# KiCad board HVC-CPU-GPM-02.kicad_pcb
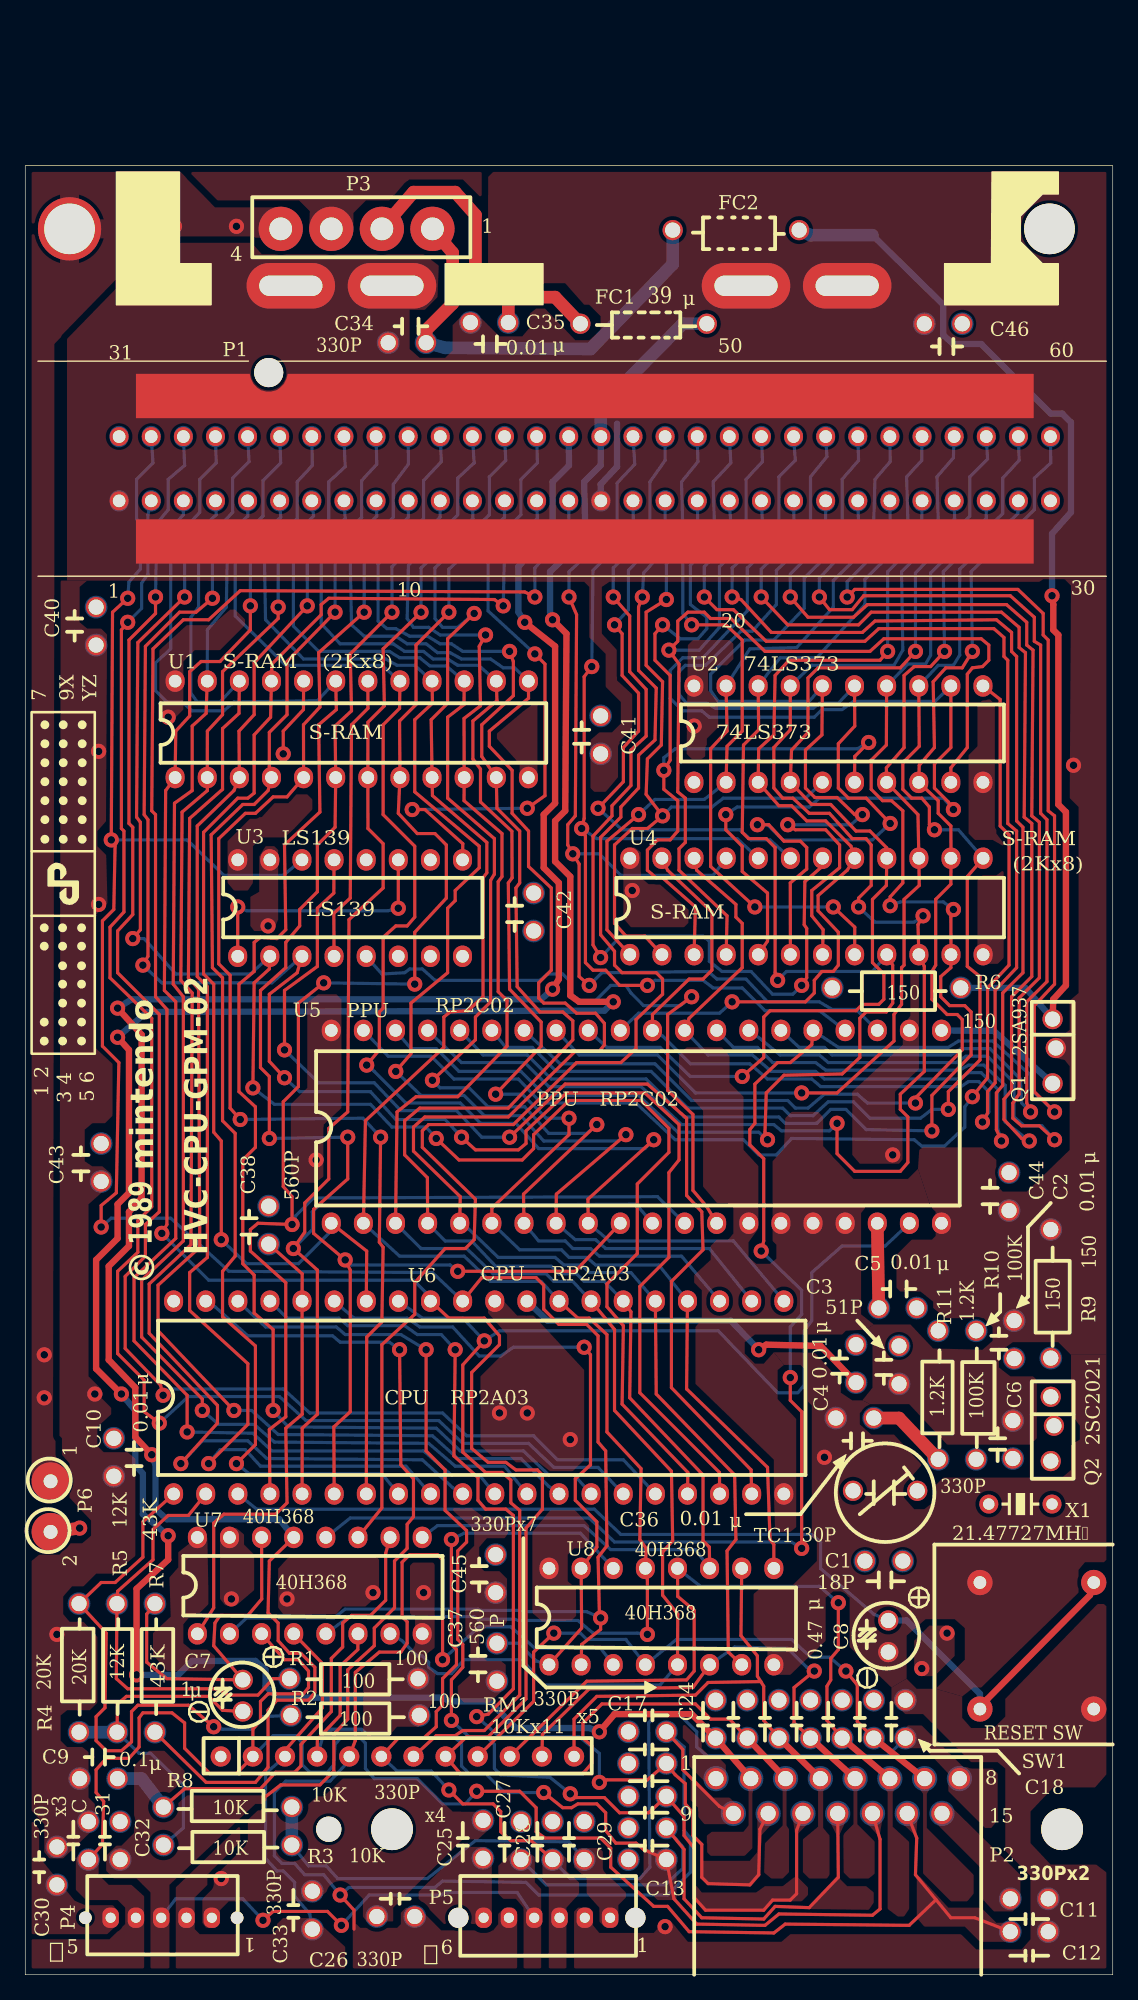
[diagram p0: board, top side]
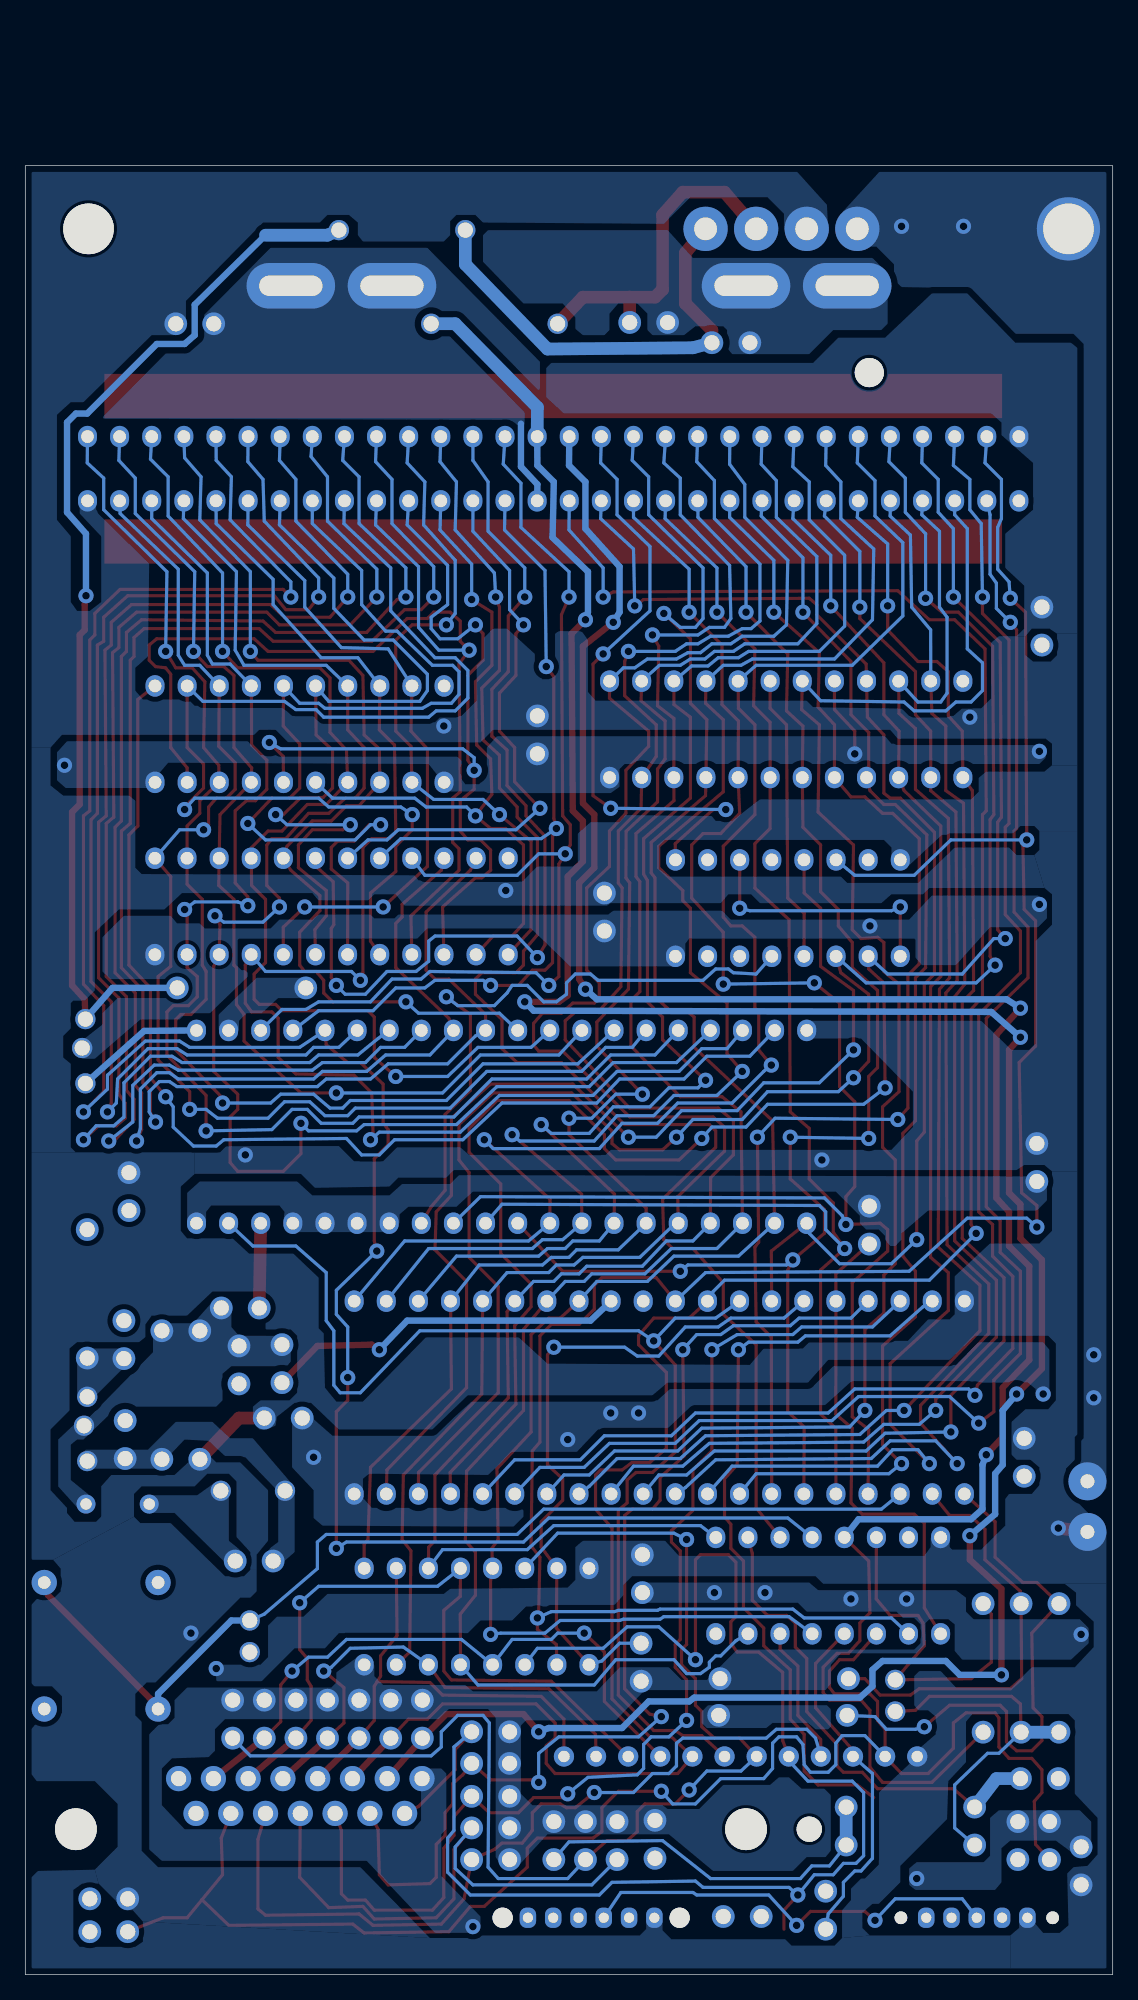
[diagram p1: board, bottom side, seen from below]

Outline 86 x 143 mm; copper layers: Top, Bottom. Coordinates in mm from the lower left corner of the outline.
Outline path: rectangle 0,143 86,0

## Placement (name value [footprint] x y rotation side)
C1  18p  [C_Disc_NoSilk_D3.0mm_W2.0mm_P3.0mm]  66.4 32.7 0 top
C2  10n  [C_Disc_NoSilk_D3.0mm_W2.0mm_P3.0mm]  78.2 51.7 270 top
C3  51p  [C_Disc_NoSilk_D3.0mm_W2.0mm_P3.0mm]  69.1 46.7 90 top
C4  10n  [C_Disc_NoSilk_D3.0mm_W2.0mm_P3.0mm]  65.7 46.8 90 top
C5  10n  [C_Disc_NoSilk_D3.0mm_W2.0mm_P3.0mm]  67.5 52.7 0 top
C6  330p  [C_Disc_NoSilk_D3.0mm_W2.0mm_P3.0mm]  78.1 43.8 270 top
C7  1u  [CP_Radial_D5.0mm_P2.50mm]  17.2 23.31 270 top
C8  47n  [CP_Radial_D5.0mm_P2.50mm]  68.25 28 270 top
C9  100n  [C_Disc_NoSilk_D3.0mm_W2.0mm_P3.0mm]  7.3 15.5 180 top
C10  10n  [C_Disc_NoSilk_D3.0mm_W2.0mm_P3.0mm]  7 39.4 90 top
C11  330p  [C_Disc_NoSilk_D3.0mm_W2.0mm_P3.0mm]  77.9 6 0 top
C12  330p  [C_Disc_NoSilk_D3.0mm_W2.0mm_P3.0mm]  77.9 3.4 0 top
C13  330p  [C_Disc_NoSilk_D3.0mm_W2.0mm_P3.0mm]  50.7 9.1 180 top
C14  330p  [C_Disc_NoSilk_D3.0mm_W2.0mm_P3.0mm]  50.7 11.6 180 top
C15  330p  [C_Disc_NoSilk_D3.0mm_W2.0mm_P3.0mm]  50.7 14.1 180 top
C16  330p  [C_Disc_NoSilk_D3.0mm_W2.0mm_P3.0mm]  50.7 16.7 180 top
C17  330p  [C_Disc_NoSilk_D3.0mm_W2.0mm_P3.0mm]  50.7 19.2 180 top
C18  330p  [C_Disc_NoSilk_D3.0mm_W2.0mm_P3.0mm]  69.6 18.7 90 top
C19  330p  [C_Disc_NoSilk_D3.0mm_W2.0mm_P3.0mm]  67.1 18.7 90 top
C20  330p  [C_Disc_NoSilk_D3.0mm_W2.0mm_P3.0mm]  64.6 18.7 90 top
C21  330p  [C_Disc_NoSilk_D3.0mm_W2.0mm_P3.0mm]  62.1 18.7 90 top
C22  330p  [C_Disc_NoSilk_D3.0mm_W2.0mm_P3.0mm]  59.6 18.7 90 top
C23  330p  [C_Disc_NoSilk_D3.0mm_W2.0mm_P3.0mm]  57.1 18.7 90 top
C24  330p  [C_Disc_NoSilk_D3.0mm_W2.0mm_P3.0mm]  54.6 18.7 90 top
C25  330p  [C_Disc_NoSilk_D3.0mm_W2.0mm_P3.0mm]  36.2 9.2 90 top
C26  330p  [C_Disc_NoSilk_D3.0mm_W2.0mm_P3.0mm]  30.8 4.6 180 top
C27  330p  [C_Disc_NoSilk_D3.0mm_W2.0mm_P3.0mm]  39.2 9.1 90 top
C28  330p  [C_Disc_NoSilk_D3.0mm_W2.0mm_P3.0mm]  41.7 9.1 90 top
C29  330p  [C_Disc_NoSilk_D3.0mm_W2.0mm_P3.0mm]  44.2 9.1 90 top
C30  330p  [C_Disc_NoSilk_D3.0mm_W2.0mm_P3.0mm]  2.5 7.1 90 top
C31  330p  [C_Disc_NoSilk_D3.0mm_W2.0mm_P3.0mm]  5 9.1 90 top
C32  330p  [C_Disc_NoSilk_D3.0mm_W2.0mm_P3.0mm]  7.5 9.1 90 top
C33  330p  [C_Disc_NoSilk_D3.0mm_W2.0mm_P3.0mm]  22.7 3.6 90 top
C34  330p  [C_Disc_NoSilk_D3.0mm_W2.0mm_P3.0mm]  31.7 129 180 top
C35  10n  [C_Disc_NoSilk_D3.0mm_W2.0mm_P3.0mm]  38.2 130.6 180 top
C36  10n  [C_Disc_NoSilk_D3.0mm_W2.0mm_P3.0mm]  64.1 44 0 top
C37  560p  [C_Disc_NoSilk_D3.0mm_W2.0mm_P3.0mm]  37.3 26.2 270 top
C38  560p  [C_Disc_NoSilk_D3.0mm_W2.0mm_P3.0mm]  19.25 57.75 90 top
C40  10n  [C_Disc_NoSilk_D3.0mm_W2.0mm_P3.0mm]  5.6 108.1 270 top
C41  10n  [C_Disc_NoSilk_D3.0mm_W2.0mm_P3.0mm]  45.5 99.5 270 top
C42  10n  [C_Disc_NoSilk_D3.0mm_W2.0mm_P3.0mm]  40.2 85.5 270 top
C43  10n  [C_Disc_NoSilk_D3.0mm_W2.0mm_P3.0mm]  6 65.7 270 top
C44  10n  [C_Disc_NoSilk_D3.0mm_W2.0mm_P3.0mm]  77.8 63.4 270 top
C45  10n  [C_Disc_NoSilk_D3.0mm_W2.0mm_P3.0mm]  37.2 33.2 270 top
C46  10n  [C_Disc_NoSilk_D3.0mm_W2.0mm_P3.0mm]  74.1 130.5 180 top
FC1  39u  [L_Axial_NoSilk_L5.0mm_D3.6mm_P10.00mm_Horizontal_Murata_BL01RN1A2A2]  53.9 130.5 180 top
FC2  FerriteBead  [L_Axial_NoSilk_L5.0mm_D3.6mm_P10.00mm_Horizontal_Murata_BL01RN1A2A2]  61.2 137.9 180 top
H1  Top Left  [npth_mounting_4x5mm_pad]  3.5 138 0 top
H2  Top Right  [npth_mounting_4x5mm_nopad]  81 138 0 top
H3  Bottom Left  [npth_mounting_3.3x5mm_nopad]  29 11.5 0 top
H4  Bottom Right  [npth_mounting_3.3x5mm_nopad]  82 11.5 0 top
H5  Alignment  [npth_mounting_2x4mm_nopad]  24 11.5 0 top
P1  CARTRIDGE SLOT  [Famicom_2x30_cartridge_connector]  44.25 119.04 0 top
P2  EXPANSION  [connector_aux_15p]  64.25 15.5 0 top
P3  RF MODULATOR  [connector_P3_4pin+shield]  26.2 138 0 top
P4  CONTROLLER 1  [connector_2mm_5pin]  10.75 4.5 180 top
P5  CONTROLLER 2  [connector_2mm_6pin]  41.25 4.5 180 top
P6  POWER  [connector_P6_2pin]  2 37 90 top
Q1  2SA937  [PACKAGE_TRANSISTOR_FTR]  81.25 75.54 270 top
Q2  2SC2021  [PACKAGE_TRANSISTOR_FTR]  81.1 45.68 270 top
R1  100  [R_Axial_NoSilk_DIN0207_L6.3mm_D2.5mm_P10.16mm_Horizontal]  20.9 23.4 0 top
R2  100  [R_Axial_NoSilk_DIN0207_L6.3mm_D2.5mm_P10.16mm_Horizontal]  21 20.5 0 top
R3  10k  [R_Axial_NoSilk_DIN0207_L6.3mm_D2.5mm_P10.16mm_Horizontal]  21.08 10.25 180 top
R4  20k  [R_Axial_NoSilk_DIN0207_L6.3mm_D2.5mm_P10.16mm_Horizontal]  4.25 29.33 270 top
R5  12k  [R_Axial_NoSilk_DIN0207_L6.3mm_D2.5mm_P10.16mm_Horizontal]  7.25 29.33 270 top
R6  150  [R_Axial_NoSilk_DIN0207_L6.3mm_D2.5mm_P10.16mm_Horizontal]  63.82 78 0 top
R7  43k  [R_Axial_NoSilk_DIN0207_L6.3mm_D2.5mm_P10.16mm_Horizontal]  10.25 29.33 270 top
R8  10K  [R_Axial_NoSilk_DIN0207_L6.3mm_D2.5mm_P10.16mm_Horizontal]  21.08 13.25 180 top
R9  150  [R_Axial_NoSilk_DIN0207_L6.3mm_D2.5mm_P10.16mm_Horizontal]  81.1 58.9 270 top
R10  100k  [R_Axial_NoSilk_DIN0207_L6.3mm_D2.5mm_P10.16mm_Horizontal]  75.2 50.9 270 top
R11  1.2k  [R_Axial_NoSilk_DIN0207_L6.3mm_D2.5mm_P10.16mm_Horizontal]  72.2 50.9 270 top
RM1  10K  [R_Array_SIP12]  15.46 17.25 0 top
SW1  RESET  [switch_reset_9x10_4pin]  80 26 0 top
TC1  30p  [Capacitor_trimmer]  68 38.25 0 top
U1  MB8416  [DIP-24_W7.62mm]  11.85 94.63 90 top
U2  74LS373  [DIP-20_W7.62mm]  52.88 94.25 90 top
U3  74LS139  [DIP-16_W7.62mm]  16.8 80.5 90 top
U4  MB8416  [DIP-24_W7.62mm]  47.81 80.63 90 top
U5  RP2C02  [DIP-40_W15.24mm]  24.2 59.4 90 top
U6  RP2A03  [DIP-40_W15.24mm]  11.73 38 90 top
U7  74LS368  [DIP-16_W7.62mm]  13.61 26.94 90 top
U8  74LS368  [DIP-16_W7.62mm]  41.42 24.5 90 top
X1  21.47727MHƵ  [crystal]  76.2 37.2 0 top

## Library data of the parts
C1-C6 C9-C38 C40-C46 = -: Description: Unpolarized capacitor; ki_fp_filters: C_*
C7 C8 = -: Description: Polarized capacitor; ki_fp_filters: CP_*
FC1 = -: Description: Inductor with ferrite core; ki_fp_filters: Choke_* *Coil* Inductor_* L_*
FC2 = -: Description: Ferrite bead; ki_fp_filters: Inductor_* L_* *Ferrite*
H1 = -: Description: Mounting Hole with connection; ki_fp_filters: MountingHole*Pad*
H2-H5 = -: Description: Mounting Hole without connection; ki_fp_filters: MountingHole*
P2 = -: Description: 15-pin D-SUB connector, pins (male) (low-density/2 columns); ki_fp_filters: DSUB*Pins*
P3 = -: Description: Generic connector, single row, 01x05, script generated
P6 = -: Description: Single Pole Single Throw (SPST) switch
Q1 = -: Datasheet: kicad-embed://2SA937.PDF; Description: PNP transistor, emitter/collector/base; Sim.Device: PNP; Sim.Type: GUMMELPOON; Sim.Pins: 1=C 2=B 3=E
Q2 = -: Datasheet: kicad-embed://2SC2021.pdf; Description: NPN transistor, emitter/collector/base; Sim.Device: NPN; Sim.Type: GUMMELPOON; Sim.Pins: 1=C 2=B 3=E
R1-R11 = -: Description: Resistor; ki_fp_filters: R_*
RM1 = -: Datasheet: http://www.vishay.com/docs/31509/csc.pdf; Description: 11 resistor network, star topology, bussed resistors, split; ki_fp_filters: R?Array?SIP*
SW1 = -: Description: Push button switch, generic, symbol, four pins
TC1 = -: Description: Trimmable capacitor
U1 U4 = -: Datasheet: kicad-embed://MB8416.pdf
U2 = -: Datasheet: kicad-embed://74LS373.pdf; Description: 8-bit Latch, 3-state outputs
U3 = -: Datasheet: kicad-embed://74LS139.pdf; Description: Dual Decoder 1 of 4, Active low outputs
U5 U6 = -: Datasheet: https://github.com/emu-russia/breaks
U7 U8 = -: Datasheet: kicad-embed://74LS368.pdf; Description: Hex Bus Driver inverter, 3-state outputs
X1 = -: Description: Two pin crystal; ki_fp_filters: Crystal*

## Footprints (pads in the part's own frame, mm; a bottom-side part is the same pattern mirrored in y, then rotated)
C_Disc_NoSilk_D3.0mm_W2.0mm_P3.0mm
  round 1.6 hole 1.2: 1(0,0) 2(3,0)
Capacitor_trimmer
  round 1.6 hole 1.2: 1(-2.54,0) 2(2.54,0)
connector_2mm_5pin
  round 2 hole 1 unplated: (-6,0) (6,0)
  rrect 1.3x1.6 hole 0.8: 1(-4,0) 2(-2,0) 3(0,0) 4(2,0) 5(4,0)
connector_2mm_6pin
  round 2.4 hole 1.6 unplated: (-7,0) (7,0)
  rrect 1.3x1.6 hole 0.8: 1(-5,0) 2(-3,0) 3(-1,0) 4(1,0) 5(3,0) 6(5,0)
connector_aux_15p
  round 1.7 hole 1.2: 1(-9.625,0) 2(-6.875,0) 3(-4.125,0) 4(-1.375,0) 5(1.375,0) 6(4.125,0) 7(6.875,0) 8(9.625,0) 9(-8.25,-2.75) 10(-5.5,-2.75) 11(-2.75,-2.75) 12(0,-2.75) 13(2.75,-2.75) 14(5.5,-2.75) 15(8.25,-2.75)
connector_P3_4pin+shield
  round 3.5 hole 1.8: 1(6,0) 2(2,0) 3(-2,0) 4(-6,0)
  oval 7x3.6 hole 5x1.6: 5(-5.2,-4.5) 5(2.8,-4.5) 5(30.8,-4.5) 5(38.8,-4.5)
connector_P6_2pin
  round 3 hole 1.1: 1(2,0) 2(-2,0)
CP_Radial_D5.0mm_P2.50mm
  round 1.6 hole 1.2: 1(0,0) 2(2.5,0)
crystal
  round 1.5 hole 0.9: 1(0,0) 2(5,0)
DIP-16_W7.62mm
  rrect 1.7x1.5 hole 1: 1(0,0) 2(0,-2.54) 3(0,-5.08) 4(0,-7.62) 5(0,-10.16) 6(0,-12.7) 7(0,-15.24) 8(0,-17.78) 9(7.62,-17.78) 10(7.62,-15.24) 11(7.62,-12.7) 12(7.62,-10.16) 13(7.62,-7.62) 14(7.62,-5.08) 15(7.62,-2.54) 16(7.62,0)
DIP-20_W7.62mm
  rrect 1.7x1.5 hole 1: 1(0,0) 2(0,-2.54) 3(0,-5.08) 4(0,-7.62) 5(0,-10.16) 6(0,-12.7) 7(0,-15.24) 8(0,-17.78) 9(0,-20.32) 10(0,-22.86) 11(7.62,-22.86) 12(7.62,-20.32) 13(7.62,-17.78) 14(7.62,-15.24) 15(7.62,-12.7) 16(7.62,-10.16) 17(7.62,-7.62) 18(7.62,-5.08) 19(7.62,-2.54) 20(7.62,0)
DIP-24_W7.62mm
  rrect 1.7x1.5 hole 1: 1(0,0) 2(0,-2.54) 3(0,-5.08) 4(0,-7.62) 5(0,-10.16) 6(0,-12.7) 7(0,-15.24) 8(0,-17.78) 9(0,-20.32) 10(0,-22.86) 11(0,-25.4) 12(0,-27.94) 13(7.62,-27.94) 14(7.62,-25.4) 15(7.62,-22.86) 16(7.62,-20.32) 17(7.62,-17.78) 18(7.62,-15.24) 19(7.62,-12.7) 20(7.62,-10.16) 21(7.62,-7.62) 22(7.62,-5.08) 23(7.62,-2.54) 24(7.62,0)
DIP-40_W15.24mm
  rrect 1.7x1.5 hole 1: 1(0,0) 2(0,-2.54) 3(0,-5.08) 4(0,-7.62) 5(0,-10.16) 6(0,-12.7) 7(0,-15.24) 8(0,-17.78) 9(0,-20.32) 10(0,-22.86) 11(0,-25.4) 12(0,-27.94) 13(0,-30.48) 14(0,-33.02) 15(0,-35.56) 16(0,-38.1) 17(0,-40.64) 18(0,-43.18) 19(0,-45.72) 20(0,-48.26) 21(15.24,-48.26) 22(15.24,-45.72) 23(15.24,-43.18) 24(15.24,-40.64) 25(15.24,-38.1) 26(15.24,-35.56) 27(15.24,-33.02) 28(15.24,-30.48) 29(15.24,-27.94) 30(15.24,-25.4) 31(15.24,-22.86) 32(15.24,-20.32) 33(15.24,-17.78) 34(15.24,-15.24) 35(15.24,-12.7) 36(15.24,-10.16) 37(15.24,-7.62) 38(15.24,-5.08) 39(15.24,-2.54) 40(15.24,0)
Famicom_2x30_cartridge_connector
  round 3.4 hole 2.3 unplated: (-25,7.6)
  round 1.5 hole 1: 1(-36.83,-2.54) 2(-34.29,-2.54) 3(-31.75,-2.54) 4(-29.21,-2.54) 5(-26.67,-2.54) 6(-24.13,-2.54) 7(-21.59,-2.54) 8(-19.05,-2.54) 9(-16.51,-2.54) 10(-13.97,-2.54) 11(-11.43,-2.54) 12(-8.89,-2.54) 13(-6.35,-2.54) 14(-3.81,-2.54) 15(-1.27,-2.54) 16(1.27,-2.54) 17(3.81,-2.54) 18(6.35,-2.54) 19(8.89,-2.54) 20(11.43,-2.54) 21(13.97,-2.54) 22(16.51,-2.54) 23(19.05,-2.54) 24(21.59,-2.54) 25(24.13,-2.54) 26(26.67,-2.54) 27(29.21,-2.54) 28(31.75,-2.54) 29(34.29,-2.54) 30(36.83,-2.54) 31(-36.83,2.54) 32(-34.29,2.54) 33(-31.75,2.54) 34(-29.21,2.54) 35(-26.67,2.54) 36(-24.13,2.54) 37(-21.59,2.54) 38(-19.05,2.54) 39(-16.51,2.54) 40(-13.97,2.54) 41(-11.43,2.54) 42(-8.89,2.54) 43(-6.35,2.54) 44(-3.81,2.54) 45(-1.27,2.54) 46(1.27,2.54) 47(3.81,2.54) 48(6.35,2.54) 49(8.89,2.54) 50(11.43,2.54) 51(13.97,2.54) 52(16.51,2.54) 53(19.05,2.54) 54(21.59,2.54) 55(24.13,2.54) 56(26.67,2.54) 57(29.21,2.54) 58(31.75,2.54) 59(34.29,2.54) 60(36.83,2.54)
  rect 71x3.5 smd: 61(0,-5.75)
  custom 71x3.5 smd: 61(6,5.75)
L_Axial_NoSilk_L5.0mm_D3.6mm_P10.00mm_Horizontal_Murata_BL01RN1A2A2
  round 1.6 hole 1.2: 1(0,0)
  oval 1.6x1.6 hole 1.2: 2(10,0)
npth_mounting_2x4mm_nopad
  round 4 hole 2 unplated: (0,0)
npth_mounting_3.3x5mm_nopad
  round 5 hole 3.3 unplated: (0,0)
npth_mounting_4x5mm_nopad
  round 5 hole 4 unplated: (0,0)
npth_mounting_4x5mm_pad
  round 5 hole 4: 1(0,0)
PACKAGE_TRANSISTOR_FTR
  round 1.6 hole 1.2: 1(0,0) 2(2.286,0.254) 3(5.08,0)
R_Array_SIP12
  round 1.6 hole 0.9: 1(0,0) 2(2.54,0) 3(5.08,0) 4(7.62,0) 5(10.16,0) 6(12.7,0) 7(15.24,0) 8(17.78,0) 9(20.32,0) 10(22.86,0) 11(25.4,0) 12(27.94,0)
R_Axial_NoSilk_DIN0207_L6.3mm_D2.5mm_P10.16mm_Horizontal
  round 1.6 hole 1.2: 1(0,0) 2(10.16,0)
switch_reset_9x10_4pin
  round 2 hole 1: 1(-4.5,5) 2(4.5,5) 3(-4.5,-5) 4(4.5,-5)

## Nets
+5V: C10.2 C11.1 C25.1 C30.1 C36.2 C40.1 C41.1 C42.1 C43.1 C44.1 C45.1 C46.1 P1.30 P1.31 P2.15 P3.3 P4.5 P5.6 P6.2 R6.1 R11.2 RM1.1 U1.24 U2.20 U3.16 U4.24 U5.22 U5.40 U6.40 U7.16 U8.16
GND: C2.1 C3.1 C6.1 C8.2 C9.2 C10.1 C11.2 C12.2 C13.2 C14.2 C15.2 C16.2 C17.2 C18.2 C19.2 C20.2 C21.2 C22.2 C23.2 C24.2 C25.2 C26.2 C27.2 C28.2 C29.2 C30.2 C31.2 C32.2 C33.2 C34.2 C35.2 C36.1 C37.2 C38.2 C40.2 C41.2 C42.2 C43.2 C44.2 C45.2 C46.2 P1.1 P1.16 P1.61 P2.1 P3.5 P4.1 P5.2 Q1.2 R1.2 R2.2 R9.1 SW1.1 SW1.4 U1.12 U1.20 U2.1 U2.10 U3.8 U3.15 U4.12 U5.14 U5.15 U5.16 U5.17 U5.20 U6.20 U6.30 U7.8 U7.15 U8.8
/$0000..1FFF_~{CS}: U1.18 U3.4
/$2000..3FFF_~{CS}: U3.5 U5.13
/$8000..FFFF_~{CS}: P1.44 U3.9
/A0: P1.13 U1.8 U5.12 U6.4
/A1: P1.12 U1.7 U5.11 U6.5
/A2: P1.11 U1.6 U5.10 U6.6
/A3: P1.10 U1.5 U6.7
/A4: P1.9 U1.4 U6.8
/A5: P1.8 U1.3 U6.9
/A6: P1.7 U1.2 U6.10
/A7: P1.6 U1.1 U6.11
/A8: P1.5 U1.23 U6.12
/A9: P1.4 U1.22 U6.13
/A10: P1.3 U1.19 U6.14
/A11: P1.2 U6.15
/A12: P1.33 U6.16
/A13: P1.34 U3.2 U6.17
/A14: P1.35 U3.3 U6.18
/A15: U3.13 U6.19
/ALE: U2.11 U5.39
/Audio and Video/AUX_SND: C7.1 R7.1 U7.14
/Audio and Video/SOUND: P1.45 R7.2 U7.13
/Audio and Video/VID_A: FC2.1 Q1.1 R6.2
/Controllers/4016_CUP: C12.1 C31.1 P2.14 P4.4 RM1.2 U7.3
/Controllers/4016_D0: C33.1 P4.2 RM1.3 U7.4
/Controllers/4016_D1: C13.1 P2.13 RM1.4 U7.6
/Controllers/4016_D2: C9.1 R8.2 U7.10
/Controllers/4017_CUP: C17.1 C26.1 P2.9 P5.5 RM1.5 U8.3
/Controllers/4017_D0: C18.1 C28.1 P2.8 P5.3 RM1.6 U8.14
/Controllers/4017_D1: C19.1 P2.7 RM1.9 U8.4
/Controllers/4017_D2: C20.1 P2.6 RM1.10 U8.12
/Controllers/4017_D3: C21.1 P2.5 RM1.11 U8.6
/Controllers/4017_D4: C22.1 P2.4 RM1.12 U8.10
/CPU_CLK: C4.1 U6.29
/CPU_SND1: R2.1 R4.1 U6.1
/CPU_SND2: R1.1 R5.1 U6.2
/D0: P1.43 U1.9 U5.2 U6.28 U7.5 U8.13
/D1: P1.42 U1.10 U5.3 U6.27 U7.7 U8.5
/D2: P1.41 U1.11 U5.4 U6.26 U7.9 U8.11
/D3: P1.40 U1.13 U5.5 U6.25 U8.7
/D4: P1.39 U1.14 U5.6 U6.24 U8.9
/D5: P1.38 U1.15 U5.7 U6.23
/D6: P1.37 U1.16 U5.8 U6.22
/D7: P1.36 U1.17 U5.9 U6.21
/MIC: C29.1 P5.1 R3.1 R8.1
/OUT0: C14.1 C27.1 C32.1 P2.12 P4.3 P5.4 U6.39
/OUT1: C15.1 P2.11 U6.38
/OUT2: C16.1 P2.10 U6.37
/PA0: P1.25 U2.19 U4.8
/PA1: P1.24 U2.16 U4.7
/PA2: P1.23 U2.15 U4.6
/PA3: P1.22 U2.12 U4.5
/PA4: P1.21 U2.9 U4.4
/PA5: P1.20 U2.6 U4.3
/PA6: P1.19 U2.5 U4.2
/PA7: P1.50 U2.2 U4.1
/PA8: P1.51 U4.23 U5.30
/PA9: P1.52 U4.22 U5.29
/PA10: P1.53 U5.28
/PA11: P1.54 U5.27
/PA12: P1.55 U5.26
/PA13: P1.56 U5.25 U7.12
/PD0: P1.26 U2.18 U4.9 U5.38
/PD1: P1.27 U2.17 U4.10 U5.37
/PD2: P1.28 U2.14 U4.11 U5.36
/PD3: P1.29 U2.13 U4.13 U5.35
/PD4: P1.60 U2.8 U4.14 U5.34
/PD5: P1.59 U2.7 U4.15 U5.33
/PD6: P1.58 U2.4 U4.16 U5.32
/PD7: P1.57 U2.3 U4.17 U5.31
/POWER: H1.1 P3.4 P6.1
/PPU_CLK: C5.1 U5.18
/PPU_VIDEO: Q1.3 U5.21
/R/~{W}: P1.14 U1.21 U5.1 U6.34
/RF_AUDIO: C35.1 FC1.2 P3.2
/RF_VIDEO: C34.1 FC2.2 P3.1
/SOUND+CART: C24.1 FC1.1 P1.46 P2.2
/VA10: P1.18 U4.19
/~{INP0}: C38.1 U6.36 U7.1
/~{INP1}: C37.1 U6.35 U8.1 U8.15
/~{IRQ}: C23.1 P1.15 P2.3 RM1.8 U6.32
/~{NMI}: RM1.7 U5.19 U6.33
/~{PA13}: P1.49 U7.11
/~{PR}: P1.17 U4.20 U5.24
/~{PW}: P1.47 U4.21 U5.23
/~{RST}: C8.1 SW1.2 SW1.3 U6.3
/~{VCS}: P1.48 U4.18
/Φ2: P1.32 U3.14 U6.31 U7.2 U8.2
Net-(C1-Pad2): C1.2 TC1.2 X1.1
Net-(C7-Pad2): C7.2 R3.2 R4.2 R5.2
Net-(Q2-B): C1.1 C6.2 Q2.3 R10.2 TC1.1
Net-(Q2-C): C3.2 C4.2 C5.2 Q2.2 R10.1 R11.1 X1.2
Net-(Q2-E): C2.2 Q2.1 R9.2
Net-(U3A-~{E}): U3.1 U3.11

Pads without a net: U3 6 7 10 12

## Via types
v1: diameter 1.2, hole 0.6, Top to Bottom, 191 vias

## Routing (per net, layer and track width the routed paths; a pad name or vN(x,y) marks a point on that pad's centre or on a via; arc(x,y) is an arc through that point)
+5V: length 8.8
  Top w1: C36.2 69.1,44 R11.2 ; P6.2 v1(4.3,35.3)
  vias: v1(11.3,99.4) v1(23,64.4) v1(48,85.7) v1(52.9,98.7) v1(68.6,64.8) v1(70.9,24.2) v1(72.9,27)
GND: length 13
  Top w0.25: v1(20.4,96.5) 20.4,98.3 22,100 U1.20
  Bottom w0.5: 46.8,122.6 46.8,119.2 45.5,117.8 P1.16
  vias: v1(2.5,26.9) v1(5.5,45.9) v1(5.8,96.7) v1(5.8,84.6) v1(15.5,7.6) v1(16.3,29.7) v1(19.2,82.9) v1(20.7,29.7) v1(27.5,30.2) v1(31.5,30.2) v1(37.5,44.4) v1(39.7,44.4) v1(43.1,42.3) v1(50.6,3.8) v1(63.2,40.9) v1(82.9,95.6)
/$0000..1FFF_~{CS}: length 22.9
  Top w0.25: U3.4 24.4,83.9 25.7,85.1 25.8,98.8 27.1,100.1 U1.18
/$2000..3FFF_~{CS}: length 50.2
  Top w0.25: U5.13 53.9,60.7 52.8,62 52.8,68 50.8,69.9 50.8,75.9 v1(52.7,77.3)
  Bottom w0.25: U3.5 28.2,79.1 30,79.2 30.4,79.5 31.4,79.5 32.4,78.6 40.7,78.6 41.3,79.1 42.5,79.1 43.2,78.4 43.2,77.5 44,76.9 45,76.9 46.3,78.2 47.5,78.2 47.9,77.6 48.9,76.6 51.8,76.6 v1(52.7,77.3)
/$8000..FFFF_~{CS}: length 49.1
  Top w0.25: v1(40.3,104.4) 41.1,103.6 41.1,93.2 v1(39.7,92.2) ; v1(30.6,92.1) 31.6,92.1 34.6,89.4 U3.9
  Bottom w0.25: P1.44 40.5,119.5 39.2,118.2 39.2,115.4 36.6,112.9 36.6,107.8 v1(40.3,104.4) ; v1(30.6,92.1) v1(39.7,92.2)
/A0: length 132.3
  Top w0.25: v1(33.5,107.7) 30.9,105.1 30.9,100.4 29.6,99.1 U1.8 29.5,91.8 31,90.2 32.4,90.2 33.3,89.3 33.3,85.1 30.8,82.4 v1(30.8,78.3) ; v1(23.6,78.4) 21.6,76.8 21.6,70.2 20.4,69 20.4,62.3 21.1,61.5 v1(21.1,59.3) 18.4,59.4 17.8,58.9 17.8,57.2 20.6,54.7 20.6,44.1 19.3,43.1 U6.4
  Bottom w0.25: U5.12 50,61.5 22.8,61.4 21.4,60 v1(21.1,59.3) ; v1(33.5,107.7) 33.5,111.1 37.9,115.2 P1.13 ; v1(23.6,78.4) v1(30.8,78.3)
/A1: length 118.2
  Top w0.25: v1(31.3,107.7) 28.3,104.8 28.4,100.3 27.1,99 U1.7 27.1,90.6 28.3,89.4 28.3,85.9 25.6,83.4 25.5,68.2 24,66.9 24,62.9 22.1,61 22.1,58.7 v1(21.2,57.4) 23.1,55.7 23.1,44.3 21.9,43.2 U6.5
  Bottom w0.25: P1.12 35.4,115.1 31.3,111.2 v1(31.3,107.7) ; U5.11 48.3,60.9 23.2,60.8 22.7,60.3 22.7,58.9 v1(21.2,57.4)
/A2: length 117.8
  Top w0.25: v1(19.3,66.1) 19.3,71 18.6,71.7 18.6,77.8 20.6,79.6 20.6,81.6 21.7,82.9 21.7,84.2 23.1,85.6 23.1,89.3 24.5,90.7 U1.6 24.5,98.7 25.8,99.9 25.7,104.4 v1(29,107.7) ; U6.6 24.4,43.3 25.7,44.5 25.7,55.7 v1(25.3,56.5) 22.8,58.6 22.8,60.5 25.5,62.9 v1(25.5,66.2) ; v1(34.2,55.6) 43.5,55.6 U5.10
  Bottom w0.25: v1(34.2,55.6) 33.6,56.1 25.8,56.1 v1(25.3,56.5) ; v1(19.3,66.1) v1(25.5,66.2) ; v1(29,107.7) 29,111.3 32.8,115.2 P1.11
/A3: length 97.6
  Top w0.25: v1(26.8,107.7) 23.2,104.5 23.3,100.2 22,98.8 U1.5 20.7,93.1 19.6,93.1 18.2,91.8 17.4,91.8 15.3,89.8 15.3,79.9 16.2,79 16.2,68.5 v1(17,67.6) ; U6.7 27,50.4 28.2,51.6 28.3,57.5 28,57.9 v1(28.1,66.2)
  Bottom w0.25: P1.10 30.3,115.2 26.8,111.8 v1(26.8,107.7) ; v1(17,67.6) 26.7,67.7 v1(28.1,66.2)
/A4: length 98.8
  Top w0.25: v1(16.7,40.4) 18.2,41.9 18.2,49.7 15.6,52 15.6,55.6 16.6,56.8 16.6,66.5 15.6,67.5 15.6,78.8 14.8,79.6 14.7,90.1 17.2,92.5 18.1,92.5 19.2,93.6 U1.4 19.3,95.5 19.3,98.2 20.7,99.6 20.7,103.8 v1(24.5,107.7)
  Bottom w0.25: P1.9 27.8,115.3 24.5,112 v1(24.5,107.7) ; v1(16.7,40.4) 17.7,39.6 28.2,39.6 U6.8
/A5: length 104.7
  Top w0.25: v1(22.3,108.2) 18.1,103.7 18.1,99.6 16.9,98.3 U1.3 16.5,93.6 13.6,90.8 13.6,78.9 14.4,78.1 14.4,56.7 13,55.5 13,52.5 17.6,48.3 17.6,43.5 v1(14.5,40.4)
  Bottom w0.25: v1(22.3,108.2) 22.3,112.2 25.3,115.1 P1.8 ; U6.9 30.1,40.2 18.6,40.2 17.4,41.5 15.4,41.5 v1(14.5,40.4)
/A6: length 110.2
  Top w0.25: v1(20,108.1) 20,107.2 15.6,103 15.6,99.6 14.4,98.3 U1.2 14.4,93.6 12.4,91.9 12.3,78.6 13.2,77.6 13.1,57.7 9.8,54.6 9.8,50.7 15.2,45 15.2,43.6 v1(12.3,40.4)
  Bottom w0.25: U6.10 33.8,38.5 31.4,40.7 19.1,40.8 17.6,42.2 14,42.2 v1(12.3,40.4) ; v1(20,108.1) 20,112.5 22.8,115.3 P1.7
/A7: length 108
  Top w0.25: v1(12.8,42.9) 12.8,45.8 8.6,50.1 8.6,55.1 11.9,58.2 11.9,76.9 11,77.8 11.1,93.6 U1.1 11.9,98.3 13,99.5 13,103 13.9,103.8 15.4,103.8 17.8,106.3 v1(17.8,108.2)
  Bottom w0.25: P1.6 20.2,115.2 17.8,113.1 v1(17.8,108.2) ; v1(12.8,42.9) 18,42.8 19.5,41.4 31.5,41.4 33.7,39.5 35.9,39.5 U6.11
/A8: length 106.3
  Top w0.25: v1(14,44.6) 14,45.5 9.2,50.4 9.2,54.9 12.5,58 12.5,77.3 11.7,78.3 11.8,92.6 13.2,93.6 13.2,98.7 14.3,99.7 U1.23
  Bottom w0.25: U1.23 14.4,106.3 15.9,108.1 16,113.8 17.6,115.3 P1.5 ; v1(14,44.6) 15.3,43.5 18.1,43.5 19.7,42.1 31.9,42 34,40.2 37.9,40.2 U6.12
/A9: length 112.7
  Top w0.25: v1(16.5,44.6) 10.5,50.9 10.5,54.5 13.8,57.5 13.7,77.9 12.9,78.8 13,91.4 15.6,93.7 15.6,98.5 16.9,99.7 U1.22
  Bottom w0.25: v1(16.5,44.6) 17.9,44.6 20,42.7 32.2,42.6 34.2,40.8 39.2,40.8 41.4,38.6 U6.13 ; P1.4 15.1,115.4 13.7,114.1 13.7,108.1 13.1,107.3 13.1,101.3 13.6,100.6 15.4,100.6 U1.22
/A10: length 123.7
  Top w0.25: U1.19 24.6,100 23.2,98.8 23.3,91.9 20.5,89.3 20.6,82.6 19.9,81.9 18.6,82 18.1,81.6 18.1,79.3 16.9,78.3 16.9,69.8 18.2,68.6 18.2,65.4 17.2,64.4 17.2,56.2 18.1,55.3 18.1,52.3 19.6,51 v1(19.6,44.6)
  Bottom w0.25: U6.14 43.4,39.5 41.4,39.5 39.4,41.4 34.4,41.4 32.5,43.2 20.8,43.3 v1(19.6,44.6) ; P1.3 12.5,115.4 11.5,114.3 11.5,104.8 10.3,103.7 10.3,101.5 11.2,100.6 12.4,100.6 13.2,99.9 15.7,99.9 16.5,100.6 23.1,100.7 U1.19
/A11: length 118.9
  Top w0.25: v1(10.6,43.6) 9.4,44.5 9.4,47 7.3,49.1 7.3,55.6 8.9,57.1 8.9,59.6 10,60.7 10,75.6 6.7,78.8 6.7,82.8 7.8,84 7.8,90.4 7.6,90.6 7.6,106.3 v1(8.1,106.9)
  Bottom w0.25: P1.2 9.7,115.4 9.7,110.7 9.2,110 9.2,108 v1(8.1,106.9) ; v1(10.6,43.6) 12.9,45.7 20.1,45.7 22.2,43.8 32.7,43.8 34.6,42 39.8,42 41.8,40.1 45.3,40.1 U6.15